# Altium PCB 2-quilter-output.pcbdoc (part 12 of 17) (continued)
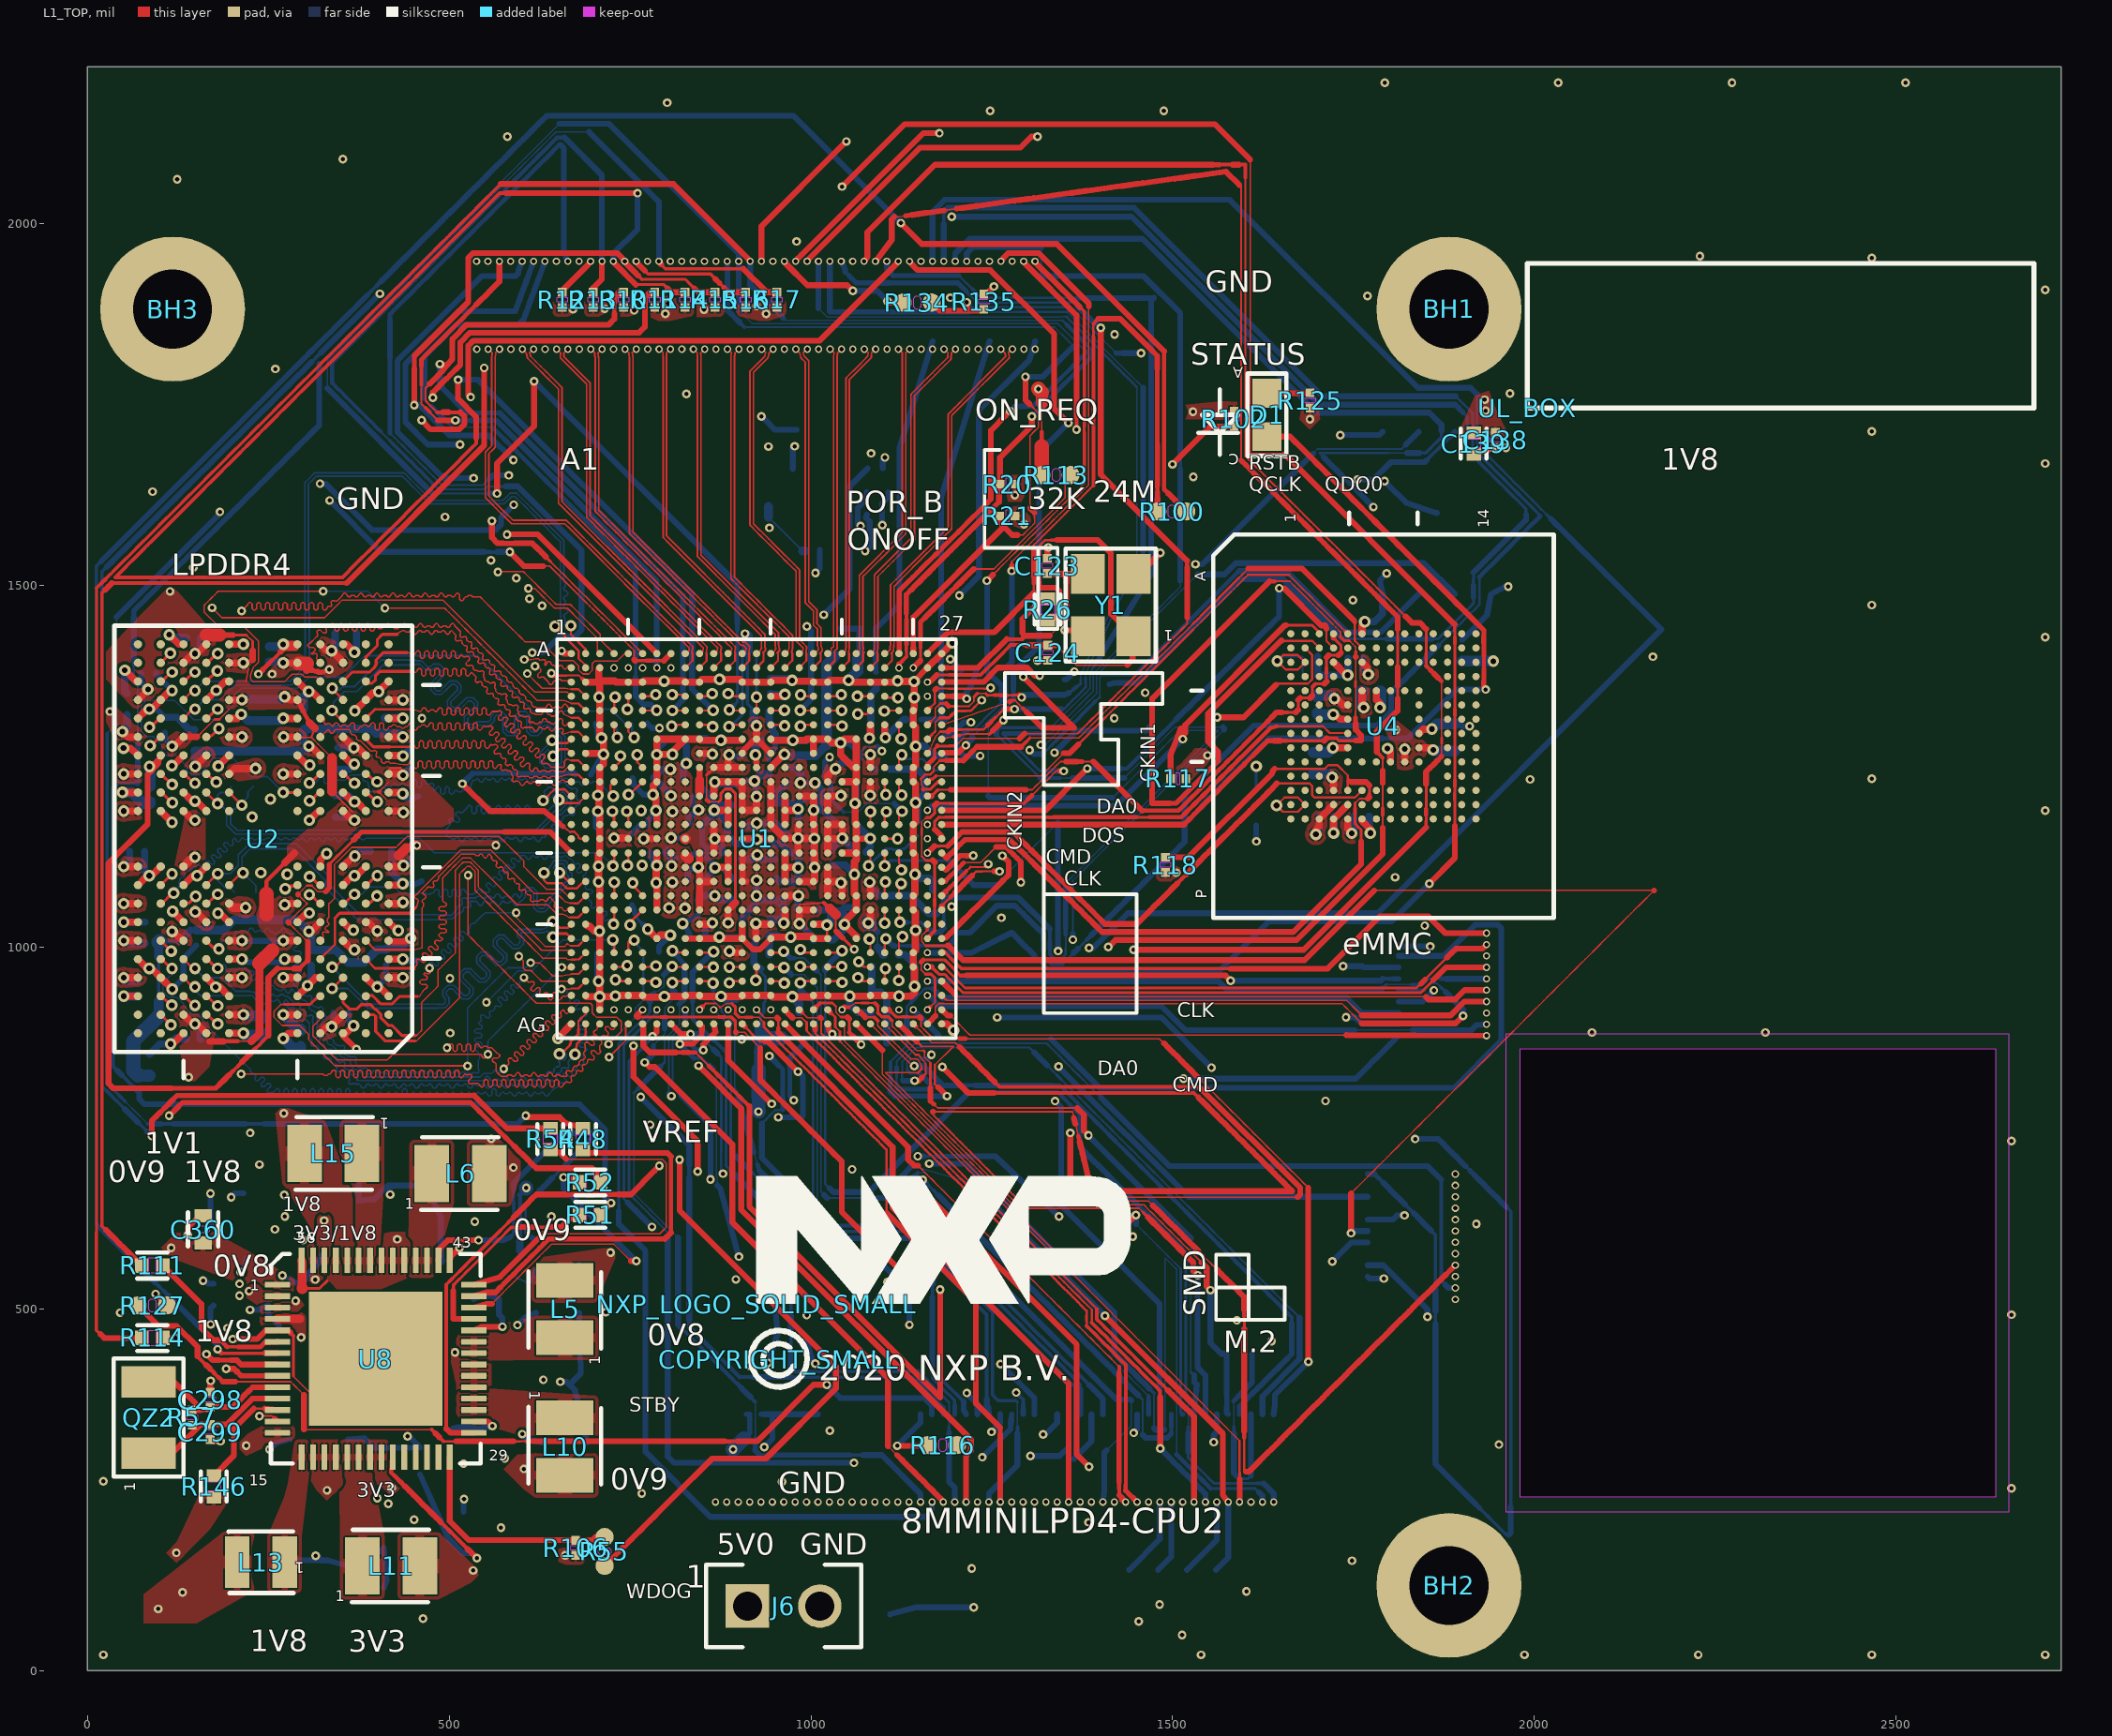
[diagram p0: L1_TOP view]
## Nets (pads, with @x,y where several pads share a name; then routed paths per layer and width w, separated by ;. In a path a pad name is that pad's centre, name@x,y a point inside that pad or via, vN(x,y) a via of type N, cw(c..) or ccw(c..) an arc to the next point about the centre after c; other vN are vias at no path point) (continued)
  L1_TOP w2.79: 1033.73,889.85 1037.05,886.53 1040.37,883.2
  L1_TOP w3.37: 1026.87,910.14 1030.3,906.71 1033.73,903.28 1033.73,896.56 1033.73,889.85 ; 1592.48,273.62 1592.48,282.45 1592.48,291.28 1592.48,300.11 1592.48,308.94 1592.48,317.77
  L1_TOP w3.96: 1040.37,869.87 1040.37,876.54 1040.37,883.2 ; 1592.48,264.79 1592.48,273.62
  L1_TOP w7.46: U1.AF19@1023.31,913.68 1026.87,910.14
  L1_TOP w8.05: v3(1592.47,233.27) 1592.48,238.31 1592.48,247.14 1592.48,255.97 1592.48,264.79
SAI1_RXFS: J5.74 U1.AG16 | length 859.5
  L1_TOP w2: 1148.05,698.31 1152.5,693.86 1157.09,689.27 1161.68,684.68 1167.97,678.39 1174.26,672.09 1180.56,665.8 1186.85,659.51 1193.14,653.21 1199.44,646.92 1205.73,640.63 1212.02,634.33 1218.32,628.04 1224.61,621.75 1230.9,615.45 1237.2,609.16 1243.49,602.87 1249.78,596.57 1256.08,590.28 1262.37,583.99 1268.66,577.69 1274.96,571.4 1281.25,565.11 1287.54,558.81 1293.84,552.52 1300.13,546.23 1306.42,539.93 1312.72,533.64 1319.01,527.35 1325.3,521.05 1331.6,514.76 1337.89,508.47 1344.18,502.18 1350.48,495.88 1356.77,489.59 1363.06,483.3 1369.36,477 1375.65,470.71 1381.94,464.42 1388.24,458.12 1394.53,451.83 1400.82,445.54 1407.12,439.24 1413.41,432.95 1419.7,426.66 1426,420.36
  L1_TOP w5.13: 1426,242.93 1426,251.8 ; 1426,411.49 1426,420.36
  L1_TOP w5.71: 1426,251.8 1426,260.67
  L1_TOP w6.88: 1426,260.67 1426,269.55 1426,278.42 1426,287.29 1426,296.16 1426,305.03 1426,313.9 1426,322.78 1426,331.65 1426,340.52 1426,349.39 1426,358.26 1426,367.13 1426,376 1426,384.88 1426,393.75 1426,402.62 1426,411.49
  L1_TOP w8.05: U1.AG16@964.26,893.99 967.82,890.43 1134.46,723.79 1134.46,706.59 1142.74,698.31 1148.05,698.31 ; 1426,242.93 1430.47,238.46 1430.47,236.07 1430.54,236 v3(1434.99,233.27)
SAI1_TXC: J5.81 U1.AC18 | length 932.3
  L1_TOP w3: v2(985.28,973.38) 985.92,972.74 U1.AC18@1003.63,972.74
  L3_INNER1 w2: 991.13,967.53 996.97,961.7 1002.8,955.86 1008.64,950.02 1014.47,944.19 1020.31,938.35 1026.14,932.52 1031.98,926.68
  L3_INNER1 w3.37: v2(985.28,973.38) 991.13,967.53
  L3_INNER1 w4.54: 1050.62,782.51 1056.75,776.38 1062.87,770.26 1069,764.13 1075.12,758.01 1081.25,751.89 1087.37,745.76 1093.5,739.64 1099.62,733.51 1105.74,727.39 1111.87,721.26 1117.99,715.14 1124.12,709.01 1130.24,702.89 1136.37,696.76 1142.49,690.64 1148.62,684.51
  L3_INNER1 w5.71: 1050.1,791.92 1050.1,800.79 1050.1,809.67 1050.1,818.54 1050.1,827.42 1050.1,836.3 1050.1,845.17 1050.1,854.05 1050.1,862.92 1050.1,871.8 1050.1,880.67 1050.1,889.55
  L3_INNER1 w6.29: 1031.98,907.67 1038.02,901.63 1044.06,895.59 1050.1,889.55 ; 1050.1,791.92 1050.1,783.04 1050.62,782.51
  L3_INNER1 w6.88: 1031.98,907.67 1031.98,914.01 1031.98,920.34 1031.98,926.68
  L3_INNER1 w7.46: 1148.62,684.51 v1(1154.73,678.41)
  L8_BOT w2.2: 1458.58,327.64 1458.58,335.46 1458.58,343.28 1458.58,351.09 1458.58,358.91 1458.58,366.73 1458.58,374.55
  L8_BOT w3.96: 1163.12,670.01 1169.41,663.73 ; 1452.3,380.84 1458.58,374.55
  L8_BOT w5.13: 1169.41,663.73 1175.69,657.44 ; 1497.97,328.82 1497.97,337.39
  L8_BOT w5.71: v1@1158.92,674.21 1163.12,670.01 ; 1458.58,326.21 1458.58,327.64
  L8_BOT w6.88: 1492.05,321.78 1494.03,323.76 1497.97,327.7 1497.97,328.82 ; 1497.97,337.39 1497.97,345.96 J5.81@1497.98,354.53
  L8_BOT w8.05: v1(1154.73,678.41) v1@1158.92,674.21 ; 1175.69,657.44 1181.98,651.15 1188.26,644.87 1194.55,638.58 1200.84,632.29 1207.12,626.01 1213.41,619.72 1219.7,613.44 1225.98,607.15 1232.27,600.86 1238.56,594.58 1244.84,588.29 1251.13,582 1257.42,575.72 1263.7,569.43 1269.99,563.14 1276.28,556.86 1282.56,550.57 1288.85,544.28 1295.13,538 1301.42,531.71 1307.71,525.42 1313.99,519.14 1320.28,512.85 1326.57,506.57 1332.85,500.28 1339.14,493.99 1345.43,487.71 1351.71,481.42 1358,475.13 1364.29,468.85 1370.57,462.56 1376.86,456.27 1383.15,449.99 1389.43,443.7 1395.72,437.41 1402,431.13 1408.29,424.84 1414.58,418.55 1420.86,412.27 1427.15,405.98 1433.44,399.69 1439.72,393.41 1446.01,387.12 1452.3,380.84 ; 1458.58,326.21 1463.01,321.78 1492.05,321.78
SAI1_TXD0: J5.83 U1.AG20 | length 889.6
  L1_TOP w2: U1.AG20@1046.18,890.8 1046.18,884.08 1046.18,877.35 1046.18,870.63 1052.45,864.36 1058.72,858.1 1064.98,851.83 1071.25,845.56 1077.51,839.3 1083.78,833.03 1090.05,826.77 1096.31,820.5 1102.58,814.24 1108.84,807.97 1115.11,801.7 1121.37,795.44 1127.64,789.17 1133.91,782.91 1140.17,776.64 1146.44,770.38 1152.7,764.11 1158.97,757.84 1165.23,751.58 1171.5,745.31 1177.77,739.05 1184.03,732.78 1190.3,726.51 1196.56,720.25 1202.83,713.98 1209.09,707.72 1215.36,701.45 1221.63,695.19 1227.89,688.92 1234.16,682.65 1240.42,676.39 1246.69,670.12 1252.95,663.86 1259.22,657.59 1265.49,651.33 1271.75,645.06 1278.02,638.79 1284.28,632.53 1290.55,626.26 1296.81,620 1303.08,613.73 1309.35,607.47 1315.61,601.2 1321.88,594.93 1328.14,588.67 1334.41,582.4 1340.67,576.14 1346.94,569.87 1353.21,563.61 1359.47,557.34 ; 1359.48,557.34 1368.01,557.34 1376.55,557.34
  L1_TOP w3.96: U1.AG20@1043,893.99 U1.AG20@1046.18,890.8
  L1_TOP w8.05: 1376.55,557.34 1443.51,624.3 v1(1449.11,629.9)
  L8_BOT w2: 1449.11,617.59 1455.32,611.38 1461.53,605.17 1467.74,598.96 1473.95,592.75 1480.15,586.55 1486.36,580.34 1492.57,574.13 1498.78,567.92 1504.99,561.71 1511.2,555.5
  L8_BOT w3.96: 1511.2,555.5 1511.2,546.88 1511.2,538.25 1511.2,529.62 1511.2,520.99 1511.2,512.36 1511.2,503.74 1511.2,495.11 1511.2,486.48 1511.2,477.85 1511.2,469.22 1511.2,460.6 1511.2,451.97 1511.2,443.34 1511.2,434.71 1511.2,426.08 1511.2,417.45 1511.2,408.83 1511.2,400.2 1511.2,391.57 1511.2,382.94 1511.2,374.31 1511.2,365.69 1511.2,357.06 J5.83@1513.73,354.53
  L8_BOT w8.05: 1449.11,617.61 v1(1449.11,629.9)
SAI1_TXD1: J5.85 U1.AF20 | length 924.9
  L1_TOP w2: 1052.8,917.23 1057.09,920.06 1061.39,922.89 ; 1157.18,855.6 1157.18,847.98 1161.14,844.02 1165.1,840.07
  L1_TOP w2.2: 1112.46,898.35 1112.46,890.97 1118.11,885.33 1123.75,879.69 1129.39,874.05 1135.03,868.4 1140.67,862.76 1146.32,857.12 1150.99,857.12 1155.66,857.12 ; 1170.13,782.89 1175.16,777.86 1175.23,777.86 1183.98,777.86 1192.73,777.86 1201.49,777.86 1210.24,777.86 1218.99,777.86 1227.75,777.86 1236.5,777.86 1245.25,777.86 1254,777.86 1262.76,777.86 1271.51,777.86 1280.26,777.86 1289.02,777.86 1297.77,777.86 1306.52,777.86 1315.28,777.86 1324.03,777.86 1332.78,777.86 1341.53,777.86 1350.29,777.86 1359.04,777.86 1367.79,777.86
  L1_TOP w2.79: 1061.39,922.89 1070.36,922.89 ; 1079.33,922.89 1088.3,922.89
  L1_TOP w3.37: 1070.36,922.89 1079.33,922.89 ; 1155.66,857.12 1157.18,855.6 ; 1165.1,805.31 1165.1,814 1165.1,822.69 1165.1,831.38 1165.1,840.07
  L1_TOP w3.96: 1092.49,909.33 1092.49,913.99 1092.49,918.69
  L1_TOP w4.54: 1092.49,909.33 1098,903.82 1102.47,903.82 1106.99,903.82 1112.46,898.35
  L1_TOP w5.13: 1046.56,917.23 1052.8,917.23
  L1_TOP w5.71: 1088.3,922.89 1092.49,918.69
  L1_TOP w6.29: 1165.1,787.92 1170.13,782.89
  L1_TOP w7.46: 1165.1,796.62 1165.1,805.31
  L1_TOP w8.05: v3(1043,913.68) 1046.56,917.22 ; 1165.1,787.93 1165.1,796.62 ; 1367.79,777.86 1377.18,768.47 1377.18,746.19 v1(1383.56,739.81)
  L8_BOT w2: 1525.15,412.77 1525.15,421.6 1525.15,430.43 1525.15,439.26 1525.15,448.09 1525.15,456.92 1525.15,465.75 1525.15,474.58 1525.15,483.42 1525.15,492.25 1525.15,501.08 1525.15,509.91 1525.15,518.74 1525.15,527.57 1525.15,536.4 1525.15,545.24 1525.15,554.07 1525.15,562.9 1525.15,571.73 1525.15,580.56 1525.15,589.39 1525.15,598.22
  L8_BOT w3.96: 1525.15,412.77 1529.65,408.27
  L8_BOT w7.46: J5.85@1529.48,354.53 J5.85@1530.25,362.73
  L8_BOT w8.05: v1(1383.56,739.81) 1389.63,733.74 1525.15,598.22 ; 1529.65,408.26 1529.65,399.28 1533.37,395.56 1532.59,387.35 1531.81,379.14 1531.03,370.94 J5.85@1530.25,362.73
SAI1_TXD2: J5.87 U1.AG21 | length 838.5
  L1_TOP w2: 1098.8,857.87 1098.8,849.54 1098.8,841.22 1098.8,832.89 1098.8,824.57 1104.98,818.39 1111.16,812.21 1117.34,806.04 1123.51,799.86 1129.69,793.68 1135.87,787.5 1142.04,781.33 1148.22,775.15 1154.4,768.97 1160.57,762.8 1166.75,756.62 1172.93,750.44 1179.11,744.27 1185.28,738.09 1191.46,731.91 1197.64,725.73 1203.81,719.56 1209.99,713.38 1216.17,707.2 1222.34,701.03 1228.52,694.85 1234.7,688.67 1240.88,682.5 1247.05,676.32 1253.23,670.14 1259.41,663.96 1265.58,657.79 1271.76,651.61 1277.94,645.43 1284.11,639.26 1293.02,639.26 1301.93,639.26 1310.84,639.26 1319.75,639.26 1328.66,639.26 1337.57,639.26 1346.48,639.26 1355.39,639.26 1364.3,639.26 1373.21,639.26 1382.12,639.26 1391.03,639.26 1399.94,639.26 1408.85,639.26 1417.76,639.26 1426.67,639.26 1435.58,639.26 1444.49,639.26 1453.4,639.26
  L1_TOP w2.2: 1453.4,639.26 1459.66,633
  L1_TOP w4.54: 1459.66,633 1465.91,626.74
  L1_TOP w8.05: U1.AG21@1062.69,893.99 1066.24,890.43 1098.8,857.87 ; 1465.91,626.74 1472.17,620.48 1478.43,614.22 1484.69,607.97 1490.95,601.71 1497.21,595.45 1503.46,589.19 1509.72,582.93 1515.98,576.67 1522.24,570.42 1528.5,564.16 1528.5,552.66 v1(1534.5,546.65)
  L8_BOT w8.05: v1(1534.5,546.65) 1534.5,537.35 1534.5,419.06 1545.22,408.35 J5.87@1545.23,354.53
SAI1_TXD3: J5.91 R97.1 U1.AF21 | length 957.5
  L1_TOP w2: 1146.37,845.5 1150.87,841 1152.89,835.39 ; 1147.9,826.5 1144.65,826.5 1136.41,826.5 1128.17,826.5 1119.93,826.5 1111.69,826.5 1103.45,826.5 1109.73,820.21 1116.02,813.92 1122.3,807.63 1128.59,801.35 1134.87,795.06 1141.16,788.77 1147.45,782.49 1153.73,776.2 1160.02,769.91 1166.31,763.63 1172.59,757.34 1178.88,751.06 1185.17,744.77 1191.45,738.48 1197.74,732.2 1204.02,725.91 1210.31,719.62 1216.6,713.34 1222.88,707.05 1229.17,700.76 1235.46,694.48 1241.74,688.19 1248.03,681.9 1254.32,675.62 1260.6,669.33 1266.89,663.05 1273.17,656.76 1279.46,650.47 1285.75,644.19 1294.46,644.19 1303.17,644.19 1311.88,644.19 1320.6,644.19 1329.31,644.19 1338.02,644.19 1346.73,644.19 1355.44,644.19 1364.15,644.19 1372.87,644.19 1381.58,644.19 1390.29,644.19 1399,644.19 1407.71,644.19 1416.43,644.19 1425.14,644.19 1433.85,644.19 1442.56,644.19 1451.27,644.19 1459.99,644.19
  L1_TOP w2.2: 1092.41,898.27 1092.41,891.34 1098.14,885.61 1103.87,879.88 1109.6,874.15 1115.33,868.42 1121.05,862.69 1126.78,856.96 1132.51,851.23 1138.24,845.5 1146.37,845.5 ; 1459.99,644.19 1466.14,638.04 1472.29,631.89 1478.44,625.73 1484.59,619.58 1490.74,613.43 1496.89,607.28 1503.04,601.13 1509.19,594.98 1515.34,588.83 1521.49,582.68 1527.64,576.53 1533.79,570.38 1539.95,564.23
  L1_TOP w2.79: 1152.89,831.69 1152.89,835.39
  L1_TOP w3.37: 1075.22,903.24 1079.95,903.24 1086.75,903.24 ; 1147.9,826.5 1152.89,831.5 1152.89,831.69
  L1_TOP w4.54: 1086.75,903.24 1088.06,902.62
  L1_TOP w5.13: 1088.06,902.62 1092.41,898.27
  L1_TOP w8.05: U1.AF21@1062.69,913.68 1068.74,909.72 1075.22,903.24 ; 1539.95,564.23 1546.1,558.08 1547.07,557.11 1547.07,531.17 v1(1552.25,525.98)
  L8_BOT w6.88: J5.91@1574.65,364.66 1574.65,372.72 1574.65,380.78
  L8_BOT w7.46: J5.91@1574.65,356.6 J5.91@1576.72,354.53
  L8_BOT w8.05: v1(1552.25,525.98) 1552.25,453.18 1567.3,438.13 1574.65,438.13 1574.65,429.13 1574.65,421.07 1574.65,413.02 1574.65,404.96 1574.65,396.9 1574.65,388.84 1574.65,380.78 ; J5.91@1574.65,356.6 J5.91@1574.65,364.66
SAI1_TXD4: J5.93 U1.AG22 | length 913.9
  L1_TOP w2.2: U1.AG22@1082.37,893.99 1088.18,888.18 1093.99,882.37 1099.8,876.55 1105.62,870.74 1111.43,864.93 1117.25,859.11 1123.06,853.3 1128.87,847.49 1134.69,841.67 v1@1140.5,835.86
  L1_TOP w8.05: v1@1140.5,835.86 v1(1142.78,835.86)
  L8_BOT w5.13: 1343.91,809.09 1350.19,802.81 ; 1369.06,783.94 1375.34,777.66 1381.63,771.37
  L8_BOT w5.71: 1209.25,809.09 1218.23,809.09 1227.21,809.09 ; 1334.93,809.09 1343.91,809.09 ; 1350.19,802.81 1356.48,796.52 1362.77,790.23 1369.06,783.94 ; 1381.63,771.37 1387.92,765.08 1394.2,758.8 1400.49,752.51 1406.78,746.22 1413.06,739.94 1419.35,733.65 1425.64,727.36 1431.92,721.08 1438.21,714.79 1444.5,708.5 1450.78,702.22 1457.07,695.93 1463.36,689.64 1469.65,683.36 1475.93,677.07 1482.22,670.78 1488.51,664.49 1494.79,658.21 1501.08,651.92 1507.37,645.63 1513.65,639.35 1519.94,633.06 1526.23,626.77 1532.51,620.49 1538.8,614.2 1545.09,607.91 1551.37,601.63 1557.66,595.34 1563.95,589.05 1570.23,582.77 1576.52,576.48 1582.81,570.19 1589.1,563.9 1595.38,557.62 1601.67,551.33 1607.96,545.04 1614.24,538.76 1620.53,532.47 1626.82,526.18 1633.1,519.9 1639.39,513.61 1645.68,507.32 1651.96,501.04 1658.25,494.75 1664.54,488.46 1664.54,480.01
  L8_BOT w7.46: v1@1147.95,835.86 1153.12,835.86 ; 1227.21,809.09 1236.18,809.09 1245.16,809.09 1254.14,809.09 1263.12,809.09 1272.09,809.09 1281.07,809.09 1290.05,809.09 1299.02,809.09 1308,809.09 1316.98,809.09 1325.95,809.09 1334.93,809.09 ; J5.93@1592.47,354.53 1592.46,360.09 1592.46,365.66 1598.47,371.66 1604.47,377.67 1610.48,383.68 1616.49,389.68 ; 1658.53,431.73 1664.54,437.74 1664.54,446.19 1664.54,454.64 1664.54,463.1 1664.54,471.55 1664.54,480.01
  L8_BOT w8.05: v1(1142.78,835.86) v1@1147.95,835.86 ; 1153.12,835.86 1155.56,835.86 1182.32,809.09 1191.3,809.09 1200.28,809.09 1209.25,809.09 ; 1616.49,389.68 1622.49,395.69 1628.5,401.7 1634.51,407.7 1640.51,413.71 1646.52,419.72 1652.52,425.72 1658.53,431.73
SAI1_TXD5: J5.95 R95.1 U1.AF22 | length 288.6
  L8_BOT w2.2: 1584.58,337.32 1584.58,346.26 1584.58,355.21 1584.58,364.15 1584.58,373.1
  L8_BOT w3.96: 1588.17,269.35 1591.77,265.76 1598.97,265.76 1604.36,265.76 1608.2,269.6
  L8_BOT w4.54: 1584.58,328.38 1584.58,337.32
  L8_BOT w6.88: 1584.58,373.1 1590.84,379.45
  L8_BOT w8.05: 1584.58,328.38 1584.58,319.43 1584.58,310.49 1584.58,301.54 1584.58,292.6 1584.58,283.65 1584.58,274.71 1584.58,272.95 1588.17,269.35 ; 1590.84,379.45 1597.11,385.81 1603.38,392.16 1609.65,398.51 R95.1@1609.65,438.13 ; 1608.21,269.6 J5.95@1608.22,354.53
SAI1_TXD6: J5.97 U1.AG23 | length 1022.6
  L1_TOP w2: 1150.71,849.16 1156.19,842.23
  L1_TOP w2.2: U1.AG23@1102.05,893.99 1108.14,887.9 1114.24,881.8 1120.34,875.7 1126.44,869.61 1132.53,863.51 1138.63,857.41 1144.73,851.31 ; 1156.19,842.23 1158.7,839.71 1158.7,832.42 1158.7,825.14
  L1_TOP w2.79: 1148.56,851.31 1150.71,849.16
  L1_TOP w3.37: 1144.73,851.31 1148.56,851.31 ; 1153.89,820.32 1158.7,825.13
  L1_TOP w7.46: v1@1149.08,815.51 1153.89,820.32
  L1_TOP w8.05: v1(1143.3,815.51) v1@1149.08,815.51
  L8_BOT w2.79: 1126.16,824.75 1126.16,833.13 1126.16,841.51 1131.14,846.48 1136.11,851.46 1141.08,856.43 1146.06,861.41 1154.71,861.41 1163.37,861.41 1172.03,861.41 1180.68,861.41 1189.34,861.41 1198,861.41 1206.65,861.41 1215.31,861.41 1223.97,861.41 1232.62,861.41 1241.28,861.41 1249.94,861.41 1258.59,861.41 1267.25,861.41 1275.91,861.41 1284.56,861.41 1293.22,861.41 1301.88,861.41 1308.21,855.08 ; 1327.2,836.09 1333.52,829.76 1339.85,823.43 ; 1346.18,817.1 1352.51,810.77 1358.84,804.44 1365.17,798.11 1371.5,791.78 1377.83,785.45 ; 1384.16,779.12 1390.49,772.79 1396.82,766.46 1403.15,760.13 1409.48,753.81 1415.81,747.48 1422.14,741.15 1428.47,734.82 1434.8,728.49 1441.13,722.16 1447.45,715.83 1453.78,709.5 1460.11,703.17 1466.44,696.84 1472.77,690.51 1479.1,684.18 1485.43,677.85 1491.76,671.52 1498.09,665.19 1504.42,658.86 1510.75,652.53 1517.08,646.2 1523.41,639.88 1529.74,633.55 1536.07,627.22 1542.4,620.89 1548.73,614.56 1555.06,608.23 1561.38,601.9 1567.71,595.57 1574.04,589.24 1580.37,582.91 1586.7,576.58 1593.03,570.25 1599.36,563.92 1605.69,557.59 1612.02,551.26 1618.35,544.93 1624.68,538.6 1631.01,532.27 1637.34,525.95 1643.67,519.62 1650,513.29 1656.33,506.96 1662.66,500.63 1668.99,494.3 1675.31,487.97
  L8_BOT w3.37: 1126.16,817.09 1126.16,824.75 ; 1377.83,785.45 1384.16,779.12
  L8_BOT w4.54: 1339.85,823.43 1346.18,817.1
  L8_BOT w6.29: 1126.16,817.09 1127.74,815.51
  L8_BOT w8.05: 1127.74,815.51 v1(1143.3,815.51) ; 1308.21,855.08 1314.54,848.75 1320.87,842.42 1327.2,836.09 ; J5.97@1623.97,354.53 1623.96,379.51 1675.31,430.87 1675.31,487.97
SAI1_TXD7: J5.99 U1.AF23 | length 1026.1
  L1_TOP w2.2: 1152.25,901.53 1152.25,896.04 1152.25,890.55 1157.92,884.88 1163.6,879.2 1169.27,873.53 ; 1169.28,873.52 1178.2,873.52 1187.13,873.52 1196.06,873.52 1204.98,873.52 ; 1213.91,873.52 1222.83,873.52 1231.76,873.52 1240.68,873.52 1249.61,873.52 1258.53,873.52 1267.46,873.52 1276.38,873.52 1285.31,873.52 1294.23,873.52 1303.16,873.52 1312.08,873.52 1321.01,873.52 1329.93,873.52 1338.86,873.52 1347.78,873.52 1356.71,873.52 1365.63,873.52 1374.56,873.52 1383.48,873.52 1392.41,873.52 1401.33,873.52 1410.26,873.52 1419.18,873.52 1428.11,873.52 1437.03,873.52 1445.96,873.52 1454.88,873.52 1463.81,873.52 1472.73,873.52 1481.66,873.52 1487.89,867.29 ; 1537.76,817.43 1543.99,811.19 1550.22,804.96 1556.46,798.73 1562.69,792.49 1568.92,786.26 1575.15,780.03 1581.39,773.8 1587.62,767.56 1593.85,761.33 1600.09,755.1 1606.32,748.86 1612.55,742.63 1618.79,736.4 1625.02,730.16 1631.25,723.93 1637.49,717.7 1643.72,711.46 1649.95,705.23 1656.18,699 1662.42,692.77 1668.65,686.53 1674.88,680.3 1681.12,674.07 1687.35,667.83
  L1_TOP w3.96: 1117.97,903.53 1126.04,903.53 ; 1134.11,903.53 1142.18,903.53 1150.24,903.53
  L1_TOP w4.54: 1107.82,913.68 1112.9,908.61 1117.97,903.53 ; 1126.04,903.53 1134.11,903.53
  L1_TOP w6.29: 1204.98,873.52 1213.91,873.52
  L1_TOP w6.88: 1531.52,823.66 1537.76,817.43
  L1_TOP w8.05: U1.AF23@1102.05,913.68 1107.82,913.68 ; 1150.24,903.53 1152.25,901.53 ; 1487.89,867.29 1494.13,861.06 1500.36,854.83 1506.59,848.59 1512.82,842.36 1519.06,836.13 1525.29,829.89 1531.52,823.66 ; v1(1687.35,427.25) 1687.35,436.96 1687.35,667.83
  L8_BOT w8.05: J5.99@1639.72,354.53 1641.04,368.54 1641.04,380.94 1679.63,419.54 v1(1687.35,427.25)
SAI1_TXFS: J5.100 U1.AB19 | length 1465.9
  L1_TOP w3: U1.AB19@1023.31,992.42 1040.32,992.42 v2(1043.02,995.12)
  L8_BOT w2.2: 1521.62,336.96 1521.62,345.47 1521.62,353.99 1521.62,362.51 1521.62,371.03
  L8_BOT w2.79: 1019.72,869.5 1019.72,878.44 1019.72,887.38 ; 1019.72,958.91 1019.72,967.85
  L8_BOT w3.37: 1019.72,869.5 1019.72,860.56 1019.72,851.62 1019.72,842.68 1019.72,833.74 1019.72,824.8 1019.72,815.86 1019.72,806.92 1019.72,797.98 1019.72,789.04 1019.72,780.1 1019.72,771.16 1019.72,762.22 1019.72,753.28 1019.72,744.34 1019.72,735.4 1019.72,726.46 1019.72,717.51 1019.72,708.57 1019.72,699.63 1019.72,690.69 1019.72,681.75 1019.72,672.81 1025.36,667.17 ; 1019.72,887.38 1019.72,896.32 1019.72,905.26 1019.72,914.2 1019.72,923.14 1019.72,932.08 1019.72,941.02 1019.72,949.96 1019.72,958.91
  L8_BOT w3.96: 1518.17,559.73 1518.17,550.91 1518.17,542.09 1518.17,533.26 1518.17,524.44 1518.17,515.62 1518.17,506.8 1518.17,497.98 1518.17,489.16 1518.17,480.33 1518.17,471.51 1518.17,462.69 1518.17,453.87 1518.17,445.05 1518.17,436.23 1518.17,427.4 1518.17,418.58 1518.17,409.76 1518.17,400.94 1518.17,392.12 1518.17,383.3 1518.17,374.47 1521.62,371.03 ; 1521.62,302.88 1521.62,294.36 1527.55,288.43 1533.48,282.5 1539.41,276.57 1545.34,270.64 1551.27,264.71 1557.2,258.78 1565.77,258.78 1574.33,258.78 1582.9,258.78 1591.47,258.78 1600.03,258.78 1608.6,258.78 1617.17,258.78
  L8_BOT w5.13: 1341.46,799.2 1347.54,793.11 ; 1521.62,328.44 1521.62,336.96 ; 1617.17,258.78 1625.74,258.78
  L8_BOT w5.71: 1347.54,793.11 1353.62,787.03 1359.71,780.95 1365.79,774.86
  L8_BOT w6.29: 1217.97,799.2 1226.79,799.2 1235.61,799.2 1244.44,799.2 1253.26,799.2 1262.08,799.2 1270.9,799.2 1279.72,799.2 1288.54,799.2 1297.36,799.2 1306.18,799.2 1315,799.2 1323.82,799.2 1332.64,799.2 1341.46,799.2 ; 1365.79,774.86 1371.87,768.78 1371.87,761.26 ; 1371.87,731.19 1371.87,738.71 1371.87,746.23 ; 1454.56,640.98 1460.92,634.62 ; 1511.81,583.73 1518.17,577.37 1518.17,568.55 1518.17,559.73
  L8_BOT w7.46: 1448.2,647.34 1454.56,640.98
  L8_BOT w8.05: 1019.72,967.85 1019.72,971.85 v2(1043.02,995.12) ; 1025.36,667.17 1031,661.53 1080.31,661.53 1217.97,799.2 ; 1371.87,731.19 1371.87,723.67 1378.23,717.31 1384.59,710.95 1390.96,704.59 1397.32,698.23 1403.68,691.87 1410.04,685.51 1416.4,679.15 1422.76,672.79 1429.12,666.42 1435.48,660.06 1441.84,653.7 1448.2,647.34 ; 1371.87,746.23 1371.87,753.74 1371.87,761.26 ; 1460.92,634.62 1467.28,628.26 1473.65,621.9 1480.01,615.54 1486.37,609.18 1492.73,602.82 1499.09,596.46 1505.45,590.1 1511.81,583.73 ; 1521.62,302.88 1521.62,311.4 1521.62,319.92 1521.62,328.44 ; 1625.74,258.78 1639.71,244.81 v3(1639.72,233.27)
SAI2_MCLK: J5.66 U1.AD19 | length 880.6
  L1_TOP w3: U1.AD19@1023.31,953.05 1039.04,953.05 1040.57,951.52 v2(1043.2,951.52)
  L3_INNER1 w3.37: 1074.85,922.03 1081.12,915.76 1087.39,909.48 1093.66,903.21 1099.94,896.94 1106.21,890.67 1112.48,884.4 1118.75,878.13 1125.02,871.85 1131.3,865.58 1137.57,859.31 1143.84,853.04 1150.11,846.77 1156.38,840.49 ; 1187.74,809.14 1194.01,802.86 1200.28,796.59
  L3_INNER1 w4.54: 1058.03,946.24 1063.31,940.97 1068.58,935.7
  L3_INNER1 w5.13: v2@1047.99,951.52 1052.76,951.52 1058.03,946.24
  L3_INNER1 w7.46: 1068.58,928.3 1068.58,935.7 ; 1200.28,796.59 1206.56,790.32
  L3_INNER1 w8.05: v2(1043.2,951.52) v2@1047.99,951.52 ; 1068.58,928.3 1074.85,922.03 ; 1156.38,840.49 1162.65,834.22 1168.93,827.95 1175.2,821.68 1181.47,815.41 1187.74,809.14 ; 1206.56,790.32 1212.83,784.05 1219.1,777.78 1225.37,771.51 1231.64,765.23 1237.91,758.96 1244.19,752.69 1250.46,746.42 1256.73,740.15 1263,733.88 1269.27,727.6 1275.54,721.33 1281.82,715.06 1288.09,708.79 1294.36,702.52 1300.63,696.25 1306.9,689.97 1313.18,683.7 1319.45,677.43 1319.45,399.04 1351.58,366.91 1351.58,254.36 1372,233.93 1372,233.6 v3(1372,233.27)
SAI2_RXC: J5.79 U1.AB22 | length 892.8
  L1_TOP w3: v2(1080.86,1011.21) 1082.37,1009.7 U1.AB22@1082.37,992.42
  L3_INNER1 w3.96: 1152.82,982.27 1161.42,982.27 1170.03,982.27
  L3_INNER1 w5.13: 1103.98,988.08 1109.79,982.27 1118.4,982.27
  L3_INNER1 w8.05: v2@1080.85,1011.2 1086.56,1005.51 1092.36,999.7 1098.17,993.89 1103.98,988.08 ; 1118.4,982.27 1127,982.27 1135.61,982.27 1144.21,982.27 1152.82,982.27 ; 1170.03,982.27 1178.64,982.27 1187.24,982.27 1195.85,982.27 1329.58,848.54 1329.58,795.37 1331.18,793.76 v1(1337.44,787.51)
  L8_BOT w5.13: 1482.22,380.12 1482.22,388.64
  L8_BOT w6.88: 1481.71,389.16 1482.22,388.64 ; J5.79@1482.24,354.53 1482.22,363.06 1482.22,371.59 1482.22,380.12
  L8_BOT w8.05: v1(1337.44,787.51) 1344.35,780.6 1346.03,778.92 1346.03,642.9 1481.71,507.22 1481.71,389.16
SAI2_RXD: J8.23 U1.AC24 | length 972.5
  L1_TOP w3: v2(1121.54,954.02) 1121.74,954.22 U1.AC24@1121.74,972.74
  L3_INNER1 w3.37: v2@1124.61,946.92 1130.53,940.99 1136.46,935.07
  L3_INNER1 w3.96: 1136.46,935.07 1142.38,929.14 ; 1157.19,923.22 1166.07,923.22
  L3_INNER1 w4.54: 1148.31,923.22 1157.19,923.22
  L3_INNER1 w5.13: 1166.07,923.22 1174.95,923.22
  L3_INNER1 w8.05: v2@1121.56,954.04 1124.61,950.97 v2@1124.61,946.92 ; 1142.38,929.14 1148.31,923.22 ; 1174.95,923.22 1183.83,923.22 1192.72,923.22 1201.6,923.22 1210.48,923.22 1219.36,923.22 1228.25,923.22 1237.13,923.22 1250.53,909.82 v1(1257.38,902.97) ; v1(1553.66,833.58) 1561.56,833.58 1569.45,833.58 1886.59,516.44 v3(1890.63,513.39)
  L8_BOT w8.05: v1(1257.38,902.97) 1484.27,902.97 v1(1553.66,833.58)
SAI2_RXFS: J5.68 U1.AC19 | length 1021.1
  L1_TOP w3: U1.AC19@1023.31,972.74 1042.01,972.74 v2(1042.69,973.42)
  L3_INNER1 w2.2: 1091.2,956.84 1091.2,948.52 1091.2,940.2 1091.2,931.88 1097.43,925.64 1103.67,919.41 1109.9,913.18 1116.13,906.95 1122.36,900.71 1128.6,894.48 1134.83,888.25 1141.06,882.02 1147.3,875.78 1153.53,869.55 1161.4,869.55 ; 1091.2,965.16 1091.2,973.47 1091.2,981.79 ; 1169.28,869.55 1177.15,869.55
  L3_INNER1 w2.79: 1091.2,956.84 1091.2,965.16 ; 1177.15,869.55 1185.02,869.55
  L3_INNER1 w5.13: 1161.4,869.55 1169.28,869.55
  L3_INNER1 w5.71: 1063.31,1009.75 1068.76,1004.3 1068.76,1004.24 1074.37,998.63 1079.98,993.01
  L3_INNER1 w8.05: v2(1042.69,973.42) 1041.09,975.02 1028.4,987.71 1028.4,1001.19 1036.96,1009.75 1063.31,1009.75 ; 1079.98,993.01 1085.59,987.4 1091.2,981.79 ; 1185.03,869.55 1330.51,724.07 1330.51,677.72 1330.51,403.63 1362.65,371.49 1362.65,259.03 1387.76,233.92 v3(1387.75,233.27)
SAI2_TXC: J8.21 U1.AD22 | length 1352.9
  L1_TOP w3: v2(1065.2,957.93) 1070.08,953.05 U1.AD22@1082.37,953.05
  L3_INNER1 w2: v2(1065.2,957.93) 1069.12,950.67 1073.02,943.4 1076.93,936.13 1080.83,928.87 1084.74,921.6
  L3_INNER1 w3.96: 1084.74,921.6 1090.58,915.76 1096.42,909.91 1102.27,904.07 1108.11,898.23 1113.95,892.38 1119.8,886.54 1125.64,880.69 1131.48,874.85 1137.33,869.01 1143.17,863.16 1149.02,857.32 1154.81,851.52 1154.86,851.47 v1@1160.7,851.47
  L3_INNER1 w8.05: v1@1160.7,851.47 v1(1166.54,851.47)
  L8_BOT w2.79: 1118.58,811.47 1118.58,819.14 ; 1118.58,834.47 1118.58,842.14 1124.85,848.41 1131.12,854.68 1137.39,860.95 1143.66,867.22 1152.33,867.22 1161,867.22 1169.67,867.22 1178.35,867.22 1187.02,867.22 1195.69,867.22 1204.36,867.22 1213.03,867.22 1221.71,867.22 1230.38,867.22 1239.05,867.22 1247.72,867.22 1256.4,867.22 1265.07,867.22 1273.74,867.22 1282.41,867.22 1291.09,867.22 1299.76,867.22 1308.43,867.22 1317.1,867.22 1325.77,867.22 1332.05,860.94 1338.33,854.66 1344.61,848.38 1350.89,842.1 1357.17,835.82 1363.45,829.54 1369.73,823.26 1376.01,816.98 1382.29,810.7 1388.57,804.42 1394.85,798.14 ; 1132.84,832.71 1132.84,839.98 1138.66,845.79 1146.06,845.79 ; 1137.9,825.45 1141.58,825.45 1150.31,825.45
  L8_BOT w3.37: 1118.58,819.14 1118.58,826.81 ; 1132.84,830.51 1132.84,832.71 ; 1146.06,845.79 1153.47,845.79 ; 1394.85,798.14 1401.13,791.86
  L8_BOT w4.54: 1118.58,806 1118.58,811.47 ; 1132.84,830.51 1137.9,825.45
  L8_BOT w5.13: 1871.2,608.94 1871.2,600.23 1871.2,591.53 1871.2,582.82 1871.2,574.11 1871.2,565.41 1871.2,556.7 1871.2,548 1871.2,539.29 1871.2,539.07 1876.17,534.1
  L8_BOT w5.71: 1153.47,845.79 1160.87,845.79 ; 1871.2,608.94 1871.2,617.64 1871.2,626.35 1871.2,635.06 1871.2,643.76 1871.2,652.47 1871.2,661.18 1871.2,669.88 1871.2,678.59
  L8_BOT w6.29: 1118.58,806 1120.78,803.8 1127.19,803.8 1135.79,803.8 1144.39,803.8 1152.99,803.8 1161.59,803.8 1165.88,808.09 ; 1118.58,826.81 1118.58,834.47
  L8_BOT w6.88: 1150.31,825.45 1155.5,820.26
  L8_BOT w8.05: 1155.5,820.26 1160.69,815.07 1165.88,809.88 1165.88,808.09 ; 1160.87,845.79 v1(1166.54,851.47) ; 1401.13,791.86 1407.41,785.58 1413.69,779.3 1419.97,773.02 1426.25,766.74 1432.53,760.46 1438.81,754.18 1445.09,747.9 1451.37,741.62 1457.65,735.34 1463.93,729.06 1470.21,722.78 1476.49,716.5 1482.77,710.22 1489.05,703.94 1495.33,697.66 1852.13,697.66 1871.2,678.59 ; 1876.17,534.1 1881.14,529.13 v3(1890.63,529.13)